# Altium PCB PASTE.PcbDoc (part 3 of 7) (continued)
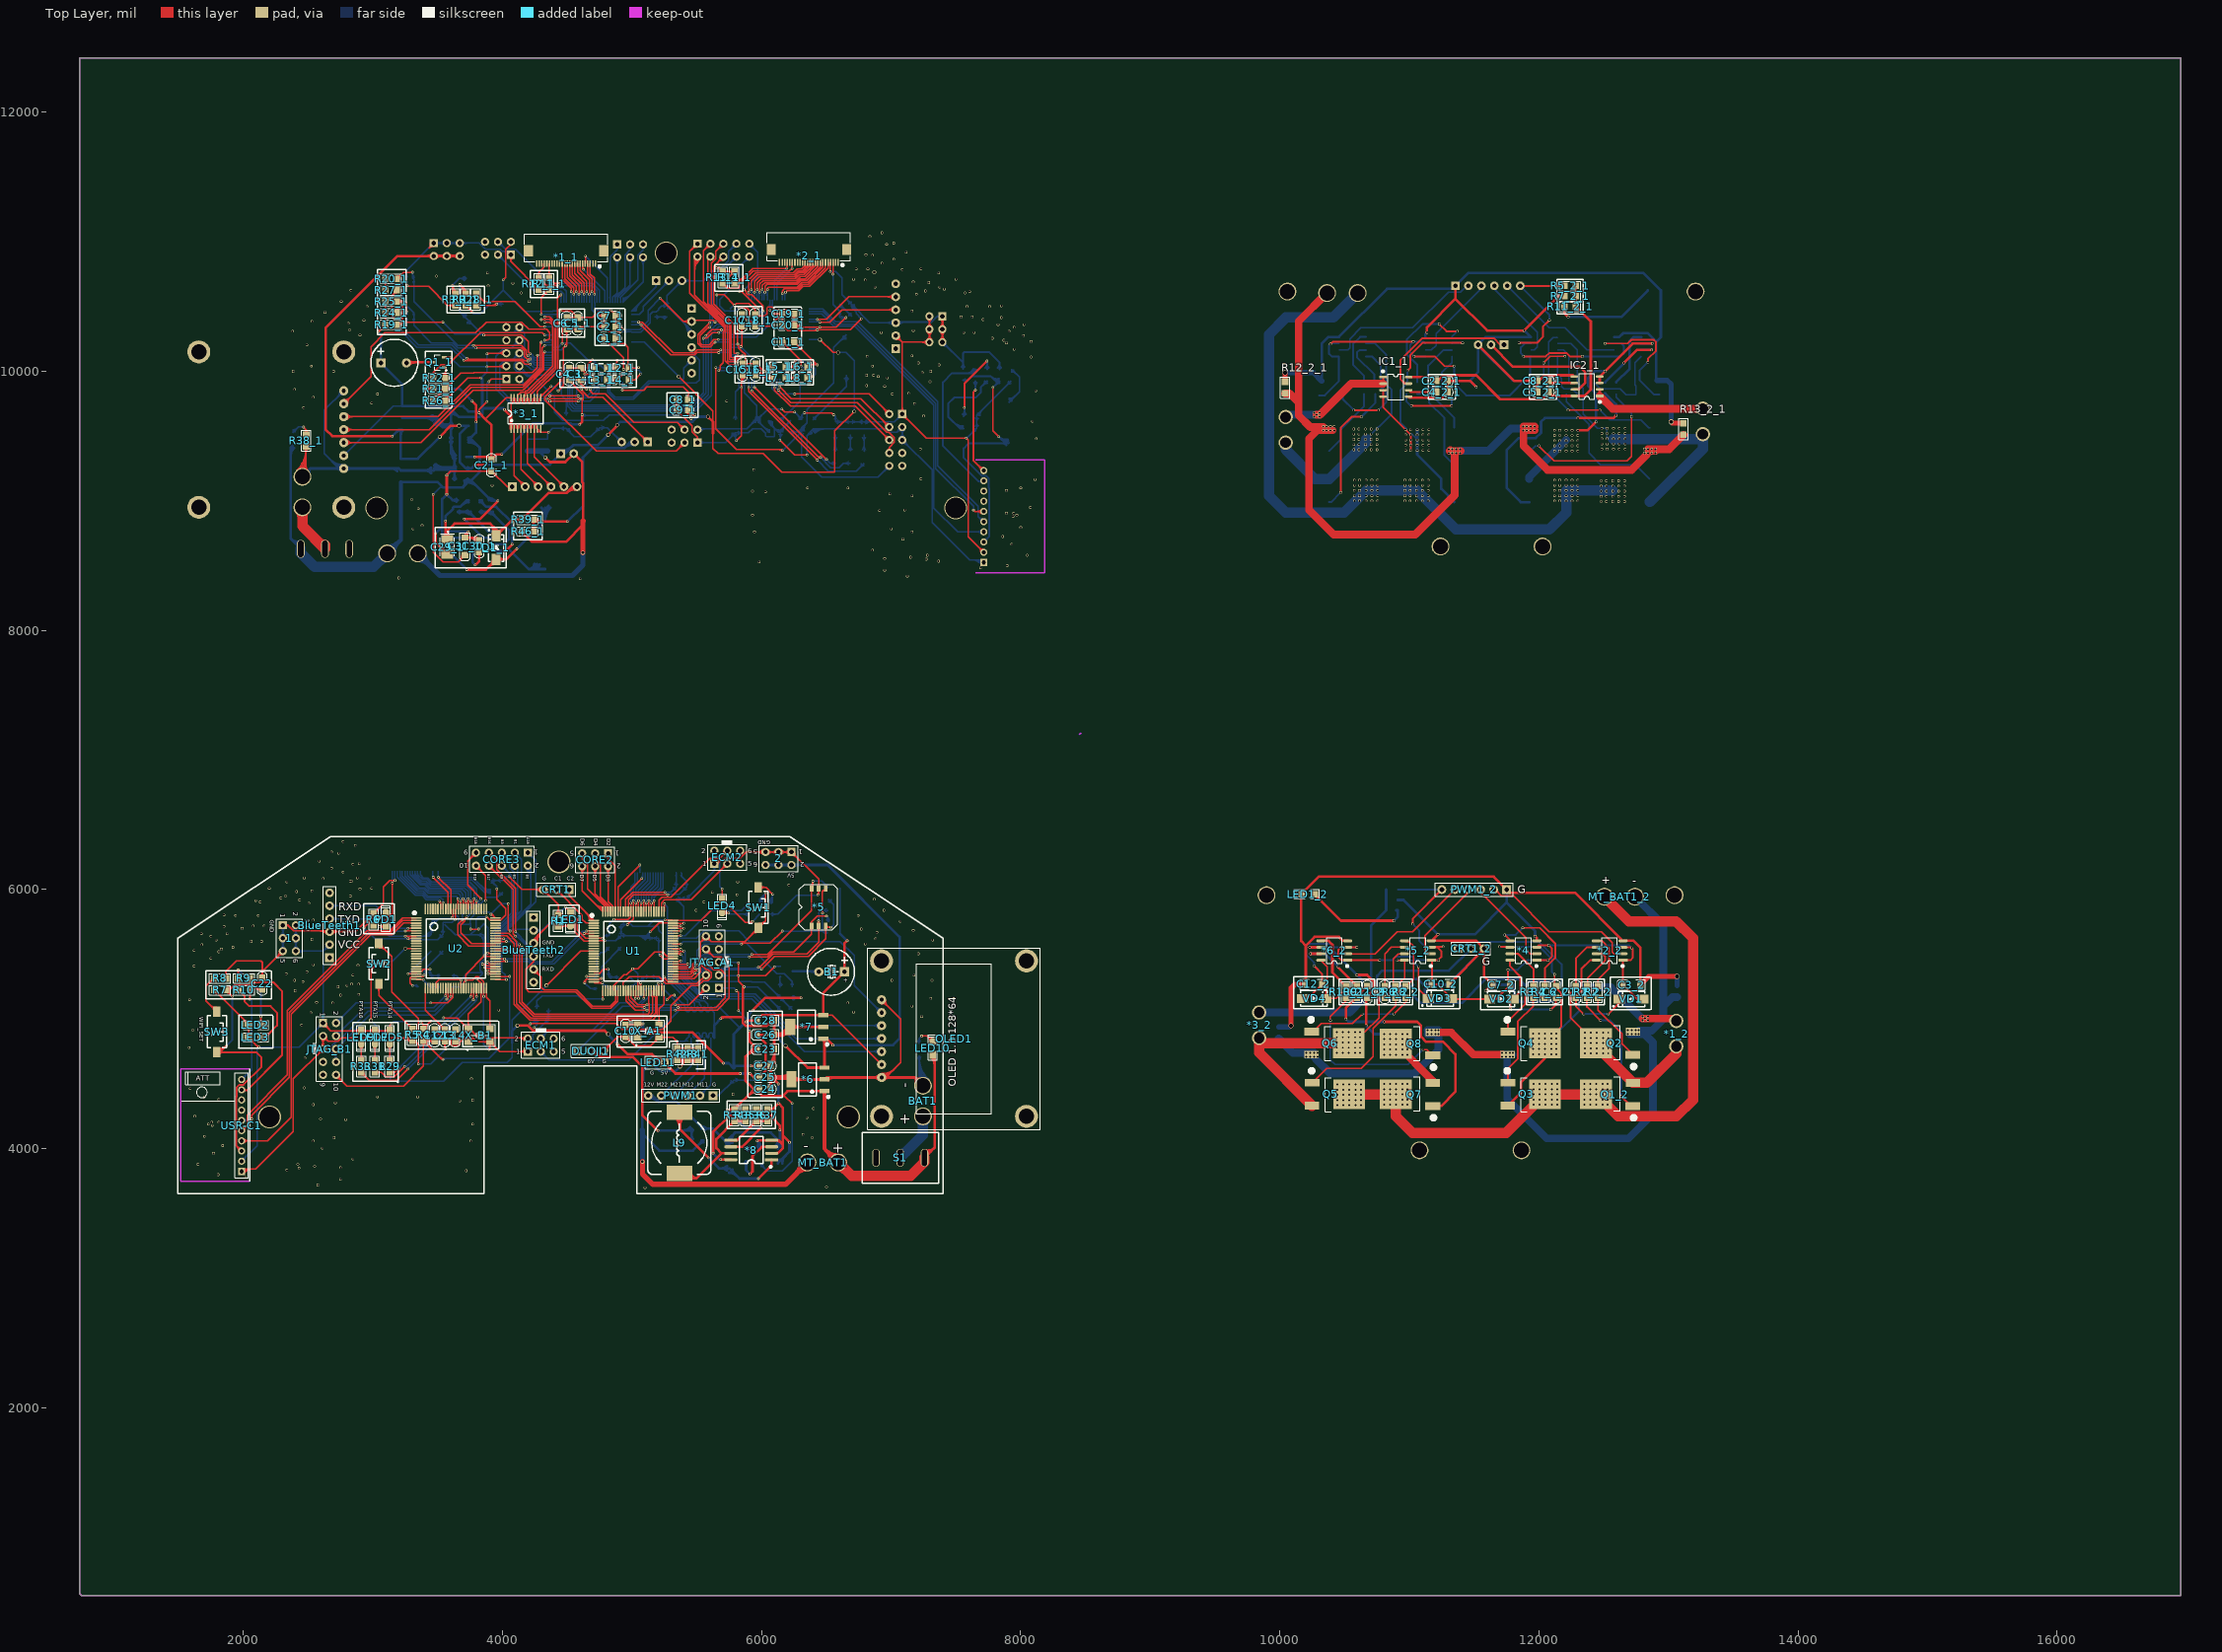
[diagram p0: Top Layer view]
## Nets (pads, with @x,y where several pads share a name; then routed paths per layer and width w, separated by ;. In a path a pad name is that pad's centre, name@x,y a point inside that pad or via, vN(x,y) a via of type N, cw(c..) or ccw(c..) an arc to the next point about the centre after c; other vN are vias at no path point) (continued)
; v2@5371.46,5716.46 ccw(c5362.93,5707.93) 5362.93,5720 ccw(c5362.93,5732.07) v2@5371.46,5723.54 ; v2(5375,5540) 5357.26,5540 ; v2(5375,5580) 5356.63,5580 ; 5378.42,5521.06 ccw(c5378.42,5546.58) v2@5396.46,5528.54 ; 5378.5,9450 cw(c5314.54,9450) 5359.77,9404.77 cw(c5405,9359.54) 5405,9423.5 ; 5378.5,9550 ccw(c5314.54,9550) 5359.77,9595.23 ccw(c5405,9640.46) 5405,9576.5 ; 5385.36,5701.06 cw(c5385.36,5685.36) v2@5396.46,5696.46 ; 5388.5,9450 cw(c5348.68,9450) 5376.84,9421.84 cw(c5405,9393.68) 5405,9433.5 ; 5388.5,9550 ccw(c5348.68,9550) 5376.84,9578.16 ccw(c5405,9606.32) 5405,9566.5 ; v2@5395,5700 v2(5400,5700) ; v2@5396.46,5736.46 ccw(c5387.93,5727.93) 5387.93,5740 ccw(c5387.93,5752.07) v2@5396.46,5743.54 ; 5420.86,9794.14 ccw(c5386.72,9828.28) 5435,9828.28 ccw(c5483.28,9828.28) 5449.14,9794.14 ; 5421.6,9685.15 cw(c5394.38,9655) 5435,9655 ; v2@5426.46,5421.46 ccw(c5417.93,5412.93) 5417.93,5425 ccw(c5417.93,5437.07) v2@5426.46,5428.54 ; 5435,9680 cw(c5435,9631.72) 5469.14,9665.86 cw(c5503.28,9700) 5455,9700 ; 5439.08,10365.7 ccw(c5395,10325.03) 5395,10385 ; 5439.08,10404.3 cw(c5395,10444.97) 5395,10385 ; 5448.4,9685.15 ccw(c5475.62,9655) 5435,9655 ; v2@5450,9635 ccw(c5437.93,9635) 5446.46,9643.54 ccw(c5455,9652.07) v2@5455,9640 ; 5450.86,9684.14 ccw(c5485,9718.28) v2@5485,9670 ; v2(5455,9635) 5435,9655 ; 5467.93,9667.07 ccw(c5485,9684.14) v2@5485,9660 ; 5478.29,5373.94 ccw(c5478.29,5406.71) v2@5501.46,5383.54 ; 5478.29,5413.94 ccw(c5478.29,5446.71) v2@5501.46,5423.54 ; 5478.5,10985 cw(c5414.54,10985) 5459.77,10939.77 cw(c5505,10894.54) 5505,10958.5 ; v2@5480,5355 cw(c5467.93,5355) 5476.46,5346.46 cw(c5485,5337.93) v2@5485,5350 ; v2@5481.46,9661.46 ccw(c5472.93,9652.93) 5472.93,9665 ccw(c5472.93,9677.07) v2@5481.46,9668.54 ; 5482.35,10766.36 cw(c5623.64,10766.36) 5523.74,10866.26 ; 5482.35,10790.5 cw(c5599.49,10790.5) 5516.66,10873.34 ; 5482.35,10814.65 cw(c5575.35,10814.65) 5509.59,10880.41 ; 5482.35,10838.79 cw(c5551.21,10838.79) 5502.52,10887.48 ; 5482.35,10862.93 cw(c5527.07,10862.93) 5495.45,10894.55 ; v2(5485,9665) 5470,9665 5435,9700 5435,9655 ; 5488.5,10985 cw(c5448.68,10985) 5476.84,10956.84 cw(c5505,10928.68) 5505,10968.5 ; 5493.18,9473.71 ccw(c5483.65,9492.82) 5505,9492.82 ; 5505,9450 5505,9492.82 ; 5505,10885 5482.35,10862.35 5482.35,10587.35 5722.87,10346.84 5722.87,10306.38 5720,10303.51 5720,10080 5750,10050 v2(5810,10050) ; 5505,10985 5445,10925 5445,10605 5708.94,10341.06 5708.94,10312.16 5705,10308.22 5705,10067.87 5681.06,10043.94 5681.06,10016.06 v2(5670,10005) ; 5516.82,9473.71 cw(c5526.35,9492.82) 5505,9492.82 ; 5533.3,5598.3 cw(c5570,5561.61) 5570,5613.5 ; 5543.5,5240 cw(c5479.54,5240) 5524.77,5194.77 cw(c5570,5149.54) 5570,5213.5 ; 5543.74,5636.48 cw(c5494.29,5629.85) 5529.57,5594.57 ; 5543.86,5608.86 ccw(c5519.5,5633.23) 5553.65,5637.81 ; v2(5550,10255) 5551.06,10256.06 5577.84,10256.06 5588.94,10267.16 5588.94,10268.94 5620,10300 v2(5670,10300) ; 5553.5,5240 cw(c5513.68,5240) 5541.84,5211.84 cw(c5570,5183.68) 5570,5223.5 ; v2@5553.54,10251.46 cw(c5564.64,10240.36) 5564.64,10256.06 ; 5570,5413.5 cw(c5570,5349.54) 5615.23,5394.77 cw(c5660.46,5440) 5596.5,5440 ; 5570,5423.5 cw(c5570,5383.68) 5598.16,5411.84 cw(c5626.32,5440) 5586.5,5440 ; 5570,5513.5 cw(c5570,5449.54) 5615.23,5494.77 cw(c5660.46,5540) 5596.5,5540 ; 5570,5523.5 cw(c5570,5483.68) 5598.16,5511.84 cw(c5626.32,5540) 5586.5,5540 ; v2(5570,10275) 5615,10320 v2(5690,10320) ; v2@5570,10280 ccw(c5570,10292.07) 5578.54,10283.54 ccw(c5587.07,10275) v2@5575,10275 ; 5571.36,5623.56 cw(c5573.84,5593.5) 5595.17,5614.83 cw(c5616.5,5636.16) 5586.44,5638.64 ; 5572.18,5613.59 cw(c5576.17,5565.31) 5610.43,5599.57 ; 5572.58,10323.64 cw(c5600,10296.22) v2@5600,10335 ; 5578.5,10985 cw(c5514.54,10985) 5559.77,10939.77 cw(c5605,10894.54) 5605,10958.5 ; 5588.5,10985 cw(c5548.68,10985) 5576.84,10956.84 cw(c5605,10928.68) 5605,10968.5 ; 5589.65,10340.71 cw(c5600,10330.36) v2@5600,10345 ; v2@5595,10375 cw(c5582.93,10375) 5591.46,10366.46 cw(c5600,10357.93) v2@5600,10370 ; v2@5596.25,10336.7 ccw(c5588.94,10330.26) 5588.94,10340 ; v2@5596.25,10343.3 cw(c5588.94,10349.74) 5588.94,10340 ; 5596.41,5637.82 ccw(c5644.69,5633.83) 5610.43,5599.57 ; v2(5600,10340) 5588.94,10340 ; v2(5600,10375) 5510,10285 5510,10215 5535,10190 5605,10190 v2(5640,10225) ; 5605,10885 5585,10865 5585,10524.13 5750.75,10358.38 5750.75,10090 5751.81,10088.94 5802.16,10088.94 5813.22,10100 v2(5840,10100) ; 5605,10985 5552.21,10932.21 5552.21,10537.21 5736.81,10352.61 5736.81,10082.9 5744.71,10075 v2(5815,10075) ; 5625,9520 5625,9405 5665,9365 6010,9365 6155,9220 6565,9220 6565,9540 v3(6715,9690) ; 5631.62,6200.92 cw(c5665.07,6191.83) 5665.07,6226.5 ; 5635,6200 5661.5,6226.5 5704.32,6226.5 ; v2@5635,10225 cw(c5622.93,10225) 5631.46,10216.46 cw(c5640,10207.93) v2@5640,10220 ; v2(5640,10380) 5626.06,10393.94 5468.94,10393.94 5460,10385 5395,10385 ; 5641.27,6198.3 cw(c5678.15,6188.27) 5678.15,6226.5 ; v2@5641.46,10026.46 cw(c5632.93,10017.93) 5645,10017.93 cw(c5657.07,10017.93) v2@5648.54,10026.46 ; v2(5645,10030) 5645,9555 5805,9395 6155,9395 v2(6160,9390) ; v2(5650,10800) 5670,10800 ; 5650.36,10243.94 ccw(c5650.36,10259.64) v2@5661.46,10248.54 ; 5650.92,6195.67 cw(c5691.23,6184.72) 5691.23,6226.5 ; v2@5653.54,10796.46 cw(c5662.07,10787.93) 5662.07,10800 cw(c5662.07,10812.07) v2@5653.54,10803.54 ; v2(5655,10590) 5710,10590 v2(5790,10510) 5805,10525 5900,10525 5950,10475 5950,10440 ; 5660.57,6193.05 cw(c5704.31,6181.17) 5704.31,6226.5 ; v2(5665,10245) 5663.94,10243.94 5632.16,10243.94 5621.06,10232.84 5621.06,10231.06 5595,10205 5539.71,10205 5523.94,10220.77 5523.94,10275 5588.94,10340 ; v2@5666.46,10141.46 ccw(c5657.93,10132.93) 5657.93,10145 ccw(c5657.93,10157.07) v2@5666.46,10148.54 ; v2@5666.46,10296.46 ccw(c5657.93,10287.93) 5657.93,10300 ccw(c5657.93,10312.07) v2@5666.46,10303.54 ; v2@5670,10010 ccw(c5670,10022.07) 5678.54,10013.54 ccw(c5687.07,10005) v2@5675,10005 ; 5678.5,10885 cw(c5614.54,10885) 5659.77,10839.77 cw(c5705,10794.54) 5705,10858.5 ; 5678.5,10985 cw(c5614.54,10985) 5659.77,10939.77 cw(c5705,10894.54) 5705,10958.5 ; 5680.09,10771.91 ccw(c5645.26,10775.25) 5670,10800 ; v2@5681.46,10161.46 ccw(c5672.93,10152.93) 5672.93,10165 ccw(c5672.93,10177.07) v2@5681.46,10168.54 ; v2@5686.46,10316.46 ccw(c5677.93,10307.93) 5677.93,10320 ccw(c5677.93,10332.07) v2@5686.46,10323.54 ; 5688.5,10885 cw(c5648.68,10885) 5676.84,10856.84 cw(c5705,10828.68) 5705,10868.5 ; 5688.5,10985 cw(c5648.68,10985) 5676.84,10956.84 cw(c5705,10928.68) 5705,10968.5 ; 5695,5825 5700,5820 v2(5745,5820) ; v2(5695,6005) 5695,5925 ; 5698.09,10789.91 cw(c5694.75,10824.74) 5670,10800 ; 5700,10660 cw(c5700,10611.72) 5734.14,10645.86 cw(c5768.28,10680) 5720,10680 ; 5700,10680 5740,10640 5830,10640 5830,10670 5933.94,10773.94 6213.94,10773.94 v2(6235,10795) 6237.05,10797.05 6237.05,10841.69 ; 5705,10885 5630,10810 5630,10518.55 5785,10363.55 5785,10140 v2(5815,10140) ; 5705,10985 5645.43,10925.43 5645.43,10868.25 5611.92,10834.74 5611.92,10516.92 5764.69,10364.15 5764.69,10110.32 5770,10105 5798.51,10105 5813.51,10120 5850,10120 v2(5855,10125) ; 5708.5,6200 cw(c5644.54,6200) 5689.77,6154.77 cw(c5735,6109.54) 5735,6173.5 ; 5708.5,6300 cw(c5644.54,6300) 5689.77,6254.77 cw(c5735,6209.54) 5735,6273.5 ; 5709.14,5805.86 cw(c5743.28,5771.72) 5743.28,5820 cw(c5743.28,5868.28) 5709.14,5834.14 ; 5714.14,10755.86 cw(c5748.28,10721.72) 5748.28,10770 cw(c5748.28,10818.28) 5714.14,10784.14 ; 5718.5,6200 cw(c5678.68,6200) 5706.84,6171.84 cw(c5735,6143.68) 5735,6183.5 ; 5718.5,6300 cw(c5678.68,6300) 5706.84,6271.84 cw(c5735,6243.68) 5735,6283.5 ; 5732.19,5817.03 cw(c5735.71,5803.9) v2@5742.5,5815.67 ; 5732.19,5822.97 ccw(c5735.71,5836.1) v2@5742.5,5824.33 ; 5734.26,5817.58 ccw(c5731.53,5827.78) v2@5740.67,5822.5 ; 5734.26,5822.42 cw(c5731.53,5812.22) v2@5740.67,5817.5 ; v2@5741.46,5816.46 ccw(c5732.93,5807.93) 5732.93,5820 ccw(c5732.93,5832.07) v2@5741.46,5823.54 ; v2@5741.46,10708.54 ccw(c5732.93,10717.07) 5745,10717.07 ccw(c5757.07,10717.07) v2@5748.54,10708.54 ; v2(5745,10705) 5745,10725 5790,10770 5700,10770 5670,10800 ; 5770,10770 cw(c5721.72,10770) 5755.86,10735.86 cw(c5790,10701.72) 5790,10750 ; 5775.86,10755.86 ccw(c5741.72,10721.72) 5741.72,10770 ccw(c5741.72,10818.28) 5775.86,10784.14 ; v2@5785,10510 ccw(c5772.93,10510) 5781.46,10518.54 ccw(c5790,10527.07) 5790,10515 ccw(c5790,10527.07) 5798.54,10518.54 ccw(c5807.07,10510) v2@5795,10510 ; 5790,10670 ccw(c5790,10706.21) 5815.61,10680.61 ; 5790,10690 ccw(c5790,10774.5) 5849.75,10714.75 ; 5790,10700 ccw(c5790,10808.64) 5866.82,10731.82 ; v2(5805,5220) 5820,5205 v2(5820,5065) ; v2(5805,9465) 5845,9505 v2(5845,9875) 5845,9960 5855,9970 ccw(c5879.14,9945.86) 5845,9945.86 ccw(c5830.86,9945.86) 5840.86,9955.86 ; v2@5805,9470 ccw(c5805,9482.07) 5813.54,9473.54 ccw(c5822.07,9465) v2@5810,9465 ; v2@5806.46,10046.46 ccw(c5797.93,10037.93) 5797.93,10050 ccw(c5797.93,10062.07) v2@5806.46,10053.54 ; v2@5811.46,10071.46 ccw(c5802.93,10062.93) 5802.93,10075 ccw(c5802.93,10087.07) v2@5811.46,10078.54 ; v2@5811.46,10136.46 ccw(c5802.93,10127.93) 5802.93,10140 ccw(c5802.93,10152.07) v2@5811.46,10143.54 ; v2@5811.46,10206.46 cw(c5788.29,10183.29) 5821.06,10183.29 ; 5814.06,10224.33 ccw(c5829.33,10224.33) v2@5818.54,10213.54 ; v2@5816.46,5331.46 cw(c5807.93,5322.93) 5820,5322.93 cw(c5832.07,5322.93) 5823.54,5331.46 cw(c5832.07,5322.93) 5832.07,5335 cw(c5832.07,5347.07) 5823.54,5338.54 cw(c5832.07,5347.07) 5820,5347.07 cw(c5807.93,5347.07) v2@5816.46,5338.54 ; v2@5816.46,5431.46 cw(c5807.93,5422.93) 5820,5422.93 cw(c5832.07,5422.93) v2@5823.54,5431.46 ; v2(5820,5435) v2(5820,5335) ; v2(5825,10490) 5885,10490 5905,10470 5905,10395 5950,10350 ; v2@5828.54,10486.46 cw(c5837.07,10477.93) 5837.07,10490 cw(c5837.07,10502.07) v2@5828.54,10493.54 ; v2(5830,10615) 5848.51,10615 5973.51,10490 v2(5975,10490) ; 5830.86,10120 ccw(c5830.86,10149.14) v2@5851.46,10128.54 ; 5832.68,10697.68 cw(c5790,10740.36) 5790,10680 5815,10680 5930,10795 v2(6195,10795) 6197.68,10797.68 6197.68,10841.69 ; v2@5833.54,10611.46 cw(c5842.07,10602.93) 5842.07,10615 cw(c5842.07,10627.07) v2@5833.54,10618.54 ; 5833.86,10335.86 cw(c5799.72,10301.72) 5848,10301.72 cw(c5896.28,10301.72) 5862.14,10335.86 cw(c5896.28,10301.72) 5896.28,10350 cw(c5896.28,10398.28) 5862.14,10364.14 ; v2@5836.46,10096.46 ccw(c5827.93,10087.93) 5827.93,10100 ccw(c5827.93,10112.07) v2@5836.46,10103.54 ; v2@5836.46,10193.54 ccw(c5808.62,10221.38) 5848,10221.38 ; v2(5840,10190) 5848,10198 5848,10350 5950,10350 ; v2@5841.46,9871.46 cw(c5832.93,9862.93) 5845,9862.93 cw(c5857.07,9862.93) v2@5848.54,9871.46 ; v2@5841.46,9878.54 ccw(c5832.93,9887.07) 5845,9887.07 ccw(c5857.07,9887.07) v2@5848.54,9878.54 ; v2@5843.54,10186.46 ccw(c5832.76,10197.24) 5848,10197.24 ; v2(5845,5580) 5850.63,5585.63 6065.63,5585.63 v2(6160,5680) ; 5845,9897.57 cw(c5927.43,9897.57) 5869.14,9955.86 ; 5845,9921.72 cw(c5903.28,9921.72) 5862.07,9962.93 ; v2@5848.54,5576.46 cw(c5870.66,5554.34) 5870.66,5585.63 ; v2@5860,5250 ccw(c5847.93,5250) 5856.46,5258.54 ccw(c5865,5267.07) v2@5865,5255 ; v2(5865,5250) 5820,5295 v2(5820,5335) ; v2@5865,10625 cw(c5865,10612.93) 5873.54,10621.46 cw(c5882.07,10630) v2@5870,10630 ; v2(5865,10630) 5881.06,10613.94 5881.06,10602.16 5892.16,10591.06 5923.94,10591.06 6010,10505 v2(6010,10465) ; v2(5885,10395) 5848,10432 5848,10440 5814.06,10406.06 5814.06,10210.94 v2(5815,10210) 5821.06,10203.94 5821.06,10182.16 5859.28,10143.94 5862.84,10143.94 5873.94,10132.84 5873.94,10078.94 5855,10060 ; 5893.79,5745 ccw(c5893.79,5791.21) v2@5926.46,5758.54 ; v2(5895,10010) 5855,10050 5855,10060 ; v2@5896.46,9871.46 cw(c5887.93,9862.93) 5900,9862.93 cw(c5912.07,9862.93) v2@5903.54,9871.46 ; v2@5896.46,10613.54 ccw(c5887.93,10622.07) 5900,10622.07 ccw(c5912.07,10622.07) v2@5903.54,10613.54 ; v2(5900,9875) 5900,9845 v2(6430,9315) ; v2(5900,10610) 5900,10705 5955,10760 6245,10760 6275,10790 6310,10790 6335.47,10815.47 6335.47,10841.69 ; v2(5905,5480) 6044.71,5480 6083.65,5518.94 6248.94,5518.94 6385,5655 6385,5720 6385,5750 ; v2@5908.54,5476.46 cw(c5917.07,5467.93) 5917.07,5480 cw(c5917.07,5492.07) v2@5908.54,5483.54 ; 5916.33,5646.33 cw(c5975,5587.65) 5975,5670.63 ; v2@5916.46,10633.54 ccw(c5907.93,10642.07) 5920,10642.07 ccw(c5932.07,10642.07) v2@5923.54,10633.54 ; 5917.93,5745 ccw(c5917.93,5767.07) v2@5933.54,5751.46 ; v2(5920,10630) 5920,10700 5965,10745 6250,10745 6281.06,10776.06 6315.77,10776.06 6355.16,10815.45 6355.16,10841.69 ; v2(5925,5500) 6045,5500 6385,5840 6385,6010 6395,6020 v2(6395,6065) cw(c6341.03,6065) 6378.26,6025.93 ; v2@5925,5755 cw(c5912.93,5755) 5921.46,5746.46 cw(c5930,5737.93) v2@5930,5750 ; v2@5925,9845 cw(c5925,9832.93) 5933.54,9841.46 cw(c5942.07,9850) v2@5930,9850 ; v2(5925,9850) 6440,9335 v2(6455,9335) ; v2@5928.54,5496.46 cw(c5937.07,5487.93) 5937.07,5500 cw(c5937.07,5512.07) v2@5928.54,5503.54 ; v2(5930,5755) 5920,5745 5875,5745 5695,5925 ; 5933.4,5663.4 cw(c5975,5621.8) 5975,5680.63 ; 5940.09,5670.09 ccw(c5915.02,5695.16) 5950.47,5695.16 ; v2@5941.46,10613.54 ccw(c5932.93,10622.07) 5945,10622.07 ccw(c5957.07,10622.07) v2@5948.54,10613.54 ; v2@5945,9870 cw(c5945,9857.93) 5953.54,9866.46 cw(c5962.07,9875) v2@5950,9875 ; v2@5945,9880 v2(5945,9875) v2(6500,9320) ; v2(5945,10395) 5945,10435 5950,10440 ; v2(5945,10610) 5945,10695 5980,10730 6255,10730 6287.13,10762.13 6321.55,10762.13 6324.42,10765 6325,10765 6374.84,10814.84 6374.84,10841.69 ; v2@5961.46,10633.54 ccw(c5952.93,10642.07) 5965,10642.07 ccw(c5977.07,10642.07) v2@5968.54,10633.54 ; 5963.92,10499.59 ccw(c5975,10510.67) v2@5975,10495 ; v2(5965,10630) 5965,10685 5995,10715 6260,10715 6293.19,10748.19 6327.9,10748.19 6394.53,10814.82 6394.53,10841.69 ; 5974.21,6017.31 6032.69,6017.31 ; v2(5975,5400) 5984.42,5400 6089.42,5505 6350,5505 6440,5595 6440,5720 v2(6440,5760) ; v2@5975,5405 ccw(c5975,5439.81) 5999.62,5415.2 ; 5975.75,5729.35 ccw(c5978.34,5779.85) 6014.09,5744.09 ; 5976.26,5739.34 ccw(c5979.9,5810.1) 6030,5760 ; v2@5981.46,10613.54 ccw(c5972.93,10622.07) 5985,10622.07 ccw(c5997.07,10622.07) v2@5988.54,10613.54 ; 5984.58,6007.13 cw(c6008.85,5983.3) 6008.85,6017.31 cw(c6008.85,6051.33) 5984.58,6027.49 ; v2@5985,9995 cw(c5985,9982.93) 5993.54,9991.46 cw(c6002.07,10000) v2@5990,10000 ; v2(5985,10000) 6035,9950 6090,9950 ; v2(5985,10610) 5985,10675 6010,10700 6264.71,10700 6298.96,10734.25 6334.25,10734.25 6415.12,10815.12 6415.12,10840.79 6414.21,10841.69 ; 5991.71,6000.13 cw(c6032.68,5959.89) 6032.68,6017.31 ; 5991.71,6034.5 ccw(c6032.68,6074.74) 6032.68,6017.31 ; 5999.53,5714.84 cw(c6034.98,5714.84) 6009.91,5739.91 ; v2(6000,5385) 6100,5485 6360,5485 6495,5620 6495,5720 6505,5710 v2(6535,5710) ; v2@6000,5390 ccw(c6000,5402.07) 6008.54,5393.54 ccw(c6017.07,5385) v2@6005,5385 ; v2@6001.46,10633.54 ccw(c5992.93,10642.07) 6005,10642.07 ccw(c6017.07,10642.07) v2@6008.54,10633.54 ; v2(6005,10630) 6005,10665 6025,10685 6269.42,10685 6299.42,10715 6340,10715 6433.9,10808.9 6433.9,10841.69 ; v2@6006.46,10468.54 ccw(c5997.93,10477.07) 6010,10477.07 ccw(c6022.07,10477.07) v2@6013.54,10468.54 ; 6011.26,6271.26 ccw(c5966.03,6226.03) 5966.03,6290 ccw(c5966.03,6353.97) 6011.26,6308.74 ; v2@6015,10000 ccw(c6002.93,10000) 6011.46,10008.54 ccw(c6020,10017.07) 6020,10005 ccw(c6020,10017.07) 6028.54,10008.54 ccw(c6037.07,10000) v2@6025,10000 ; 6018.34,6278.34 ccw(c5990.18,6250.18) 5990.18,6290 ccw(c5990.18,6329.82) 6018.34,6301.66 ; v2@6021.46,10613.54 ccw(c6012.93,10622.07) 6025,10622.07 ccw(c6037.07,10622.07) v2@6028.54,10613.54 ; v2(6025,10610) 6025,10655 6040,10670 6274.13,10670 6305.19,10701.06 6351.06,10701.06 6453.58,10803.58 6453.58,10841.69 ; v2@6026.46,5966.46 cw(c6017.93,5957.93) 6030,5957.93 cw(c6042.07,5957.93) v2@6033.54,5966.46 ; v2(6030,5970) 6030,5760 ; 6041.66,6278.34 cw(c6069.82,6250.18) 6069.82,6290 cw(c6069.82,6329.82) 6041.66,6301.66 ; v2(6045,10630) 6045,10640 6055,10650 ; 6048.74,6271.26 cw(c6093.97,6226.03) 6093.97,6290 cw(c6093.97,6353.97) 6048.74,6308.74 ; v2@6049.85,10631.23 cw(c6068.91,10636.09) 6055,10650 ; v2@6065,10465 cw(c6065,10452.93) 6073.54,10461.46 cw(c6082.07,10470) v2@6070,10470 ; v2(6065,10470) 6090,10445 6160,10445 6160,10355 6200,10315 6425,10315 v2(6430,10320) 6685,10320 v2(6770,10405) ; 6079.14,10024.66 ccw(c6055,10001.67) 6055,10035 ; 6079.14,10045.34 cw(c6055,10068.33) 6055,10035 ; 6079.39,9939.39 ccw(c6053.79,9913.79) 6053.79,9950 ccw(c6053.79,9986.21) 6079.39,9960.61 ; v2@6080,5965 ccw(c6067.93,5965) 6076.46,5973.54 ccw(c6085,5982.07) v2@6085,5970 ; v2(6085,5965) 6032.69,6017.31 ; 6090,10035 6055,10035 ; v2@6095,5405 cw(c6082.93,5405) 6091.46,5396.46 cw(c6100,5387.93) v2@6100,5400 ; v2@6096.46,9871.46 cw(c6087.93,9862.93) 6100,9862.93 cw(c6112.07,9862.93) v2@6103.54,9871.46 ; v2(6100,5405) 6030,5335 v2(5820,5335) ; v2(6100,9875) 6100,9855 6225,9730 6725,9730 6985,9470 ; 6111.26,6271.26 ccw(c6066.03,6226.03) 6066.03,6290 ccw(c6066.03,6353.97) 6111.26,6308.74 ; 6118.34,6278.34 ccw(c6090.18,6250.18) 6090.18,6290 ccw(c6090.18,6329.82) 6118.34,6301.66 ; v2@6130,9850 cw(c6130,9837.93) 6138.54,9846.46 cw(c6147.07,9855) v2@6135,9855 ; v2(6130,9855) 6225,9760 6737.82,9760 6968.25,9529.57 6982.61,9529.57 7025.43,9486.75 7025.43,9453.25 6985,9412.82 ; 6135.86,9395 cw(c6135.86,9365.86) v2@6156.46,9386.46 ; v2@6140,9465 cw(c6140,9452.93) 6148.54,9461.46 cw(c6157.07,9470) v2@6145,9470 ; v2(6140,9470) 6255,9355 v2(6350,9355) ; v2@6140,9875 cw(c6140,9862.93) 6148.54,9871.46 cw(c6157.07,9880) v2@6145,9880 ; v2(6140,9880) 6230,9790 6765,9790 6985,9570 ; 6141.66,6278.34 cw(c6169.82,6250.18) 6169.82,6290 cw(c6169.82,6329.82) 6141.66,6301.66 ; 6145.86,10369.14 ccw(c6111.72,10403.28) 6160,10403.28 ccw(c6208.28,10403.28) 6174.14,10369.14 ; 6145.86,10430.86 6065,10350 5950,10350 ; 6148.74,6271.26 cw(c6193.97,6226.03) 6193.97,6290 cw(c6193.97,6353.97) 6148.74,6308.74 ; v2@6155,5680 cw(c6142.93,5680) 6151.46,5671.46 cw(c6160,5662.93) v2@6160,5675 ; v2@6155,9705 cw(c6155,9692.93) 6163.54,9701.46 cw(c6172.07,9710) v2@6160,9710 ; v2(6155,9710) 6180,9685 v2(6255,9685) ; v2@6156.46,10603.54 ccw(c6147.93,10612.07) 6160,10612.07 ccw(c6172.07,10612.07) v2@6163.54,10603.54 ; 6160,4405 6180,4405 v2(6235,4350) ; 6160,10205 cw(c6160,10156.72) 6194.14,10190.86 cw(c6228.28,10225) 6180,10225 ; 6160,10225 6305,10080 v2(6305,10040) ; 6160,10335 cw(c6160,10286.72) 6194.14,10320.86 cw(c6228.28,10355) 6180,10355 ; v2(6160,10600) 6160,10620 6176.06,10636.06 6280.77,10636.06 6284.71,10640 6285,10640 6315,10670 6362.93,10670 6491.06,10798.13 6491.06,10839.8 6492.95,10841.69 ; 6180,9950 6260,9950 6310,10000 v2(6310,10005) ; 6180,10035 6260,10035 v2(6260,10085) ; v2(6185,10610) 6197.13,10622.13 6286.84,10622.13 6319.71,10655 6370,10655 6512.64,10797.64 6512.64,10841.69 ; v2@6185,10615 ccw(c6185,10627.07) 6193.54,10618.54 ccw(c6202.07,10610) v2@6190,10610 ; 6190.61,9939.39 cw(c6216.21,9913.79) 6216.21,9950 cw(c6216.21,9986.21) 6190.61,9960.61 ; 6190.61,10024.39 cw(c6216.21,9998.79) 6216.21,10035 cw(c6216.21,10071.21) 6190.61,10045.61 ; v2@6191.46,10791.46 ccw(c6182.93,10782.93) 6182.93,10795 ccw(c6182.93,10807.07) 6191.46,10798.54 ccw(c6176.47,10813.53) 6197.68,10813.53 ; 6200.81,10466.83 ccw(c6234.5,10500.53) 6247.31,10454.63 ; 6211.26,6271.26 ccw(c6166.03,6226.03) 6166.03,6290 ccw(c6166.03,6353.97) 6211.26,6308.74 ; 6212.91,10454.73 ccw(c6239.78,10481.61) 6250,10445 ; 6218.34,6278.34 ccw(c6190.18,6250.18) 6190.18,6290 ccw(c6190.18,6329.82) 6218.34,6301.66 ; 6225.01,10442.63 ccw(c6245.06,10462.69) 6252.69,10435.37 ; v2@6230,4350 ccw(c6217.93,4350) 6226.46,4358.54 ccw(c6235,4367.07) v2@6235,4355 ; 6230,6263.5 cw(c6230,6199.54) 6275.23,6244.77 cw(c6320.46,6290) 6256.5,6290 ; 6230,6273.5 cw(c6230,6233.68) 6258.16,6261.84 cw(c6286.32,6290) 6246.5,6290 ; v2@6230,10795 cw(c6217.93,10795) 6226.46,10786.46 cw(c6235,10777.93) v2@6235,10790 ; 6230.94,10438.93 ccw(c6222.64,10436.29) 6222.64,10445 ; 6230.94,10451.07 cw(c6222.64,10453.71) 6222.64,10445 ; v2@6231.46,10798.54 ccw(c6217.99,10812.01) 6237.05,10812.01 ; 6235.86,10369.14 ccw(c6201.72,10403.28) 6250,10403.28 ccw(c6298.28,10403.28) 6264.14,10369.14 ccw(c6334.5,10439.5) 6334.5,10340 ; 6235.86,10430.86 cw(c6201.72,10396.72) 6250,10396.72 cw(c6298.28,10396.72) 6264.14,10430.86 ; 6244.62,10464.26 cw(c6229.22,10519.45) 6188.7,10478.94 ; 6249.39,9939.39 ccw(c6223.79,9913.79) 6223.79,9950 ccw(c6223.79,9986.21) 6249.39,9960.61 ; 6249.39,10024.39 ccw(c6223.79,9998.79) 6223.79,10035 ccw(c6223.79,10071.21) 6249.39,10045.61 ; 6249.39,10053.11 ccw(c6223.79,10078.71) 6260,10078.71 ccw(c6296.21,10078.71) 6270.61,10053.11 ; 6250,10225 v2@6425,10050 ; v2@6251.46,9681.46 ccw(c6242.93,9672.93) 6242.93,9685 ccw(c6242.93,9697.07) v2@6251.46,9688.54 ; v2(6255,9825) 6830,9825 6985,9670 ; v2@6255.67,10082.5 cw(c6240.4,10073.69) 6257.43,10069.12 ; v2@6256.46,10081.46 cw(c6247.93,10072.93) 6260,10072.93 cw(c6272.07,10072.93) v2@6263.54,10081.46 ; 6257.07,10362.07 ccw(c6310.36,10415.36) 6310.36,10340 ; v2@6258.54,9821.46 cw(c6267.07,9812.93) 6267.07,9825 cw(c6267.07,9837.07) v2@6258.54,9828.54 ; 6260,9962.5 ccw(c6260,9992.68) 6281.34,9971.34 ; 6260,9972.5 ccw(c6260,10026.82) 6298.41,9988.41 ; 6262.57,10069.12 cw(c6279.6,10073.69) v2@6264.33,10082.5 ; 6275,9957.5 cw(c6293.11,9957.5) 6280.3,9970.3 ; 6286.21,10340 cw(c6286.21,10391.21) 6250,10355 ; 6297.93,9987.93 ccw(c6280.86,10005) v2@6305,10005 ; v2@6301.46,10043.54 ccw(c6292.93,10052.07) 6305,10052.07 ccw(c6317.07,10052.07) v2@6308.54,10043.54 ; 6329.31,10809.31 ccw(c6316.6,10822.01) 6334.57,10822.01 ; v2(6330,9680) 6540,9680 v2(6555,9665) ; v2@6333.54,9676.46 cw(c6342.07,9667.93) 6342.07,9680 cw(c6342.07,9692.07) v2@6333.54,9683.54 ; v2@6346.46,9351.46 ccw(c6337.93,9342.93) 6337.93,9355 ccw(c6337.93,9367.07) v2@6346.46,9358.54 ; 6348.97,10809.26 ccw(c6336.23,10822.01) 6354.25,10822.01 ; 6350,9950 6360,9960 v2(6395,9960) ; 6350,10035 6365,10050 v2@6425,10050 ; 6360.61,9946.89 cw(c6392.25,9915.25) v2@6392.25,9960 ; 6360.61,9968.11 ccw(c6380.18,9987.68) 6380.18,9960 ; 6368.23,10808.23 ccw(c6354.45,10822.01) 6373.94,10822.01 ; 6378.1,5704.24 cw(c6361.43,5687.57) 6385,5687.57 cw(c6408.57,5687.57) 6391.9,5704.24 ; 6378.1,5994.24 cw(c6361.43,5977.57) 6385,5977.57 cw(c6408.57,5977.57) 6391.9,5994.24 ; 6378.67,5736.29 ccw(c6366.99,5750) 6385,5750 ; 6381.5,9957.12 cw(c6385.25,9943.11) v2@6392.5,9955.67 ; 6384.82,9958.01 ccw(c6382.32,9967.32) v2@6390.67,9962.5 ; 6385.16,6018.69 ccw(c6363.28,6041.65) 6395,6041.65 ; 6387.9,10808.19 ccw(c6374.08,10822.01) 6393.62,10822.01 ; v2@6390.67,6062.5 cw(c6380.21,6056.46) 6391.88,6053.34 cw(c6403.53,6050.22) v2@6397.5,6060.67 ; 6391.33,5736.29 cw(c6403.01,5750) 6385,5750 ; v2@6391.46,6061.46 cw(c6382.93,6052.93) 6395,6052.93 cw(c6407.07,6052.93) v2@6398.54,6061.46 ; v2@6391.46,9956.46 ccw(c6382.93,9947.93) 6382.93,9960 ccw(c6382.93,9972.07) v2@6391.46,9963.54 ; 6405.86,10315 ccw(c6405.86,10344.14) v2@6426.46,10323.54 ; 6407.15,10807.16 ccw(c6392.3,10822.01) 6413.31,10822.01 ; 6412.93,10062.07 ccw(c6430,10079.14) v2@6430,10055 ; 6420.86,9354.14 ccw(c6455,9388.28) v2@6455,9340 ; v2@6425,9315 ccw(c6412.93,9315) 6421.46,9323.54 ccw(c6430,9332.07) v2@6430,9320 ; v2(6430,10050) v2@6425,10050 ; v2(6430,10400) 6500,10400 6675,10575 7035,10575 ; v2@6431.46,5963.54 ccw(c6410.86,5984.14) 6440,5984.14 ; 6433.1,5704.24 cw(c6416.43,5687.57) 6440,5687.57 cw(c6463.57,5687.57) 6446.9,5704.24 ; 6433.1,5735.76 ccw(c6416.43,5752.43) 6440,5752.43 ccw(c6463.57,5752.43) 6446.9,5735.76 ; 6433.1,5994.24 cw(c6416.43,5977.57) 6440,5977.57 cw(c6463.57,5977.57) 6446.9,5994.24 ; 6433.1,6025.76 ccw(c6416.43,6042.43) 6440,6042.43 ccw(c6463.57,6042.43) 6446.9,6025.76 ; v2@6433.54,10316.46 cw(c6442.07,10307.93) 6442.07,10320 cw(c6442.07,10332.07) v2@6433.54,10323.54 ; v2@6433.54,10396.46 cw(c6442.07,10387.93) 6442.07,10400 cw(c6442.07,10412.07) v2@6433.54,10403.54 ; v2(6435,5960) 6440,5965 6440,6010 6440,6080 6230,6290 6130,6290 6030,6290 5882.18,6290 5832.61,6240.43 5718.25,6240.43 5704.32,6226.5 ; v2@6435.75,5757.37 cw(c6421.16,5748.36) 6437.72,5743.92 ; v2@6436.46,5756.46 cw(c6427.93,5747.93) 6440,5747.93 cw(c6452.07,5747.93) v2@6443.54,5756.46 ; 6437.93,9337.07 ccw(c6455,9354.14) v2@6455,9330 ; 6442.28,5743.92 cw(c6458.84,5748.36) v2@6444.25,5757.37 ; v2@6446.46,10336.46 ccw(c6437.93,10327.93) 6437.93,10340 ccw(c6437.93,10352.07) v2@6446.46,10343.54 ; v3(6450,10245) 6550,10145 v3(6590,10145) ; v2(6450,10380) 6525,10380 6620,10475 7035,10475 ; v2@6451.46,9331.46 ccw(c6442.93,9322.93) 6442.93,9335 ccw(c6442.93,9347.07) v2@6451.46,9338.54 ; v2@6453.54,10336.46 cw(c6462.07,10327.93) 6462.07,10340 cw(c6462.07,10352.07) v2@6453.54,10343.54 ; v2@6453.54,10376.46 cw(c6462.07,10367.93) 6462.07,10380 cw(c6462.07,10392.07) v2@6453.54,10383.54 ; v2@6466.46,5823.54 ccw(c6457.93,5832.07) 6470,5832.07 ccw(c6482.07,5832.07) v2@6473.54,5823.54 ; v2(6470,5820) 6470,5985 ; 6473.27,10841.69 6473.27,10803.27 6357.13,10687.13 6312.13,10687.13 6275,10650 6055,10650 ; 6475,5030.55 6545,5030.55 6925.55,4650 ; 6488.1,5704.24 cw(c6471.43,5687.57) 6495,5687.57 cw(c6518.57,5687.57) 6501.9,5704.24 cw(c6515.82,5690.33) 6515.82,5710 ; 6491.06,10815.26 cw(c6499.7,10815.26) 6493.59,10821.37 ; 6492.85,5991.62 ccw(c6487.43,5967.57) 6470,5985 ; 6495,6010 6470,5985 ; v2@6495,9320 ccw(c6482.93,9320) 6491.46,9328.54 ccw(c6500,9337.07) v2@6500,9325 ; v2@6496.46,5791.46 ccw(c6487.93,5782.93) 6487.93,5795 ccw(c6487.93,5807.07) v2@6496.46,5798.54 ; v2(6500,5795) 6430,5795 6385,5750 ; 6501.9,5718.05 ccw(c6521.33,5737.47) 6521.33,5710 ; v2@6526.46,10773.54 ccw(c6517.93,10782.07) 6530,10782.07 ccw(c6542.07,10782.07) v2@6533.54,10773.54 ; v2(6530,10770) 6530,10839.37 6532.32,10841.69 ; 6530,10814.21 cw(c6540.12,10814.21) 6532.96,10821.37 ; v2@6531.46,5706.46 ccw(c6522.93,5697.93) 6522.93,5710 ccw(c6522.93,5722.07) v2@6531.46,5713.54 ; v2@6546.46,10753.54 ccw(c6537.93,10762.07) 6550,10762.07 ccw(c6562.07,10762.07) v2@6553.54,10753.54 ; v2@6550,9665 ccw(c6537.93,9665) 6546.46,9673.54 ccw(c6555,9682.07) v2@6555,9670 ; v2(6550,10750) 6550,10839.68 6552.01,10841.69 ; 6550,10814.97 cw(c6559.04,10814.97) 6552.65,10821.37 ; v2@6645,10415 cw(c6632.93,10415) 6641.46,10406.46 cw(c6650,10397.93) v2@6650,10410 ; v2(6650,10415) 6575,10340 v2(6450,10340) 6265,10340 6250,10355 ; v2@6765,10405 cw(c6752.93,10405) 6761.46,10396.46 cw(c6770,10387.93) v2@6770,10400 ; 6925.55,4540.43 ccw(c6925.55,4600.5) 6968.03,4558.03 ; 6925.55,4550 6960,4550 7075,4665 7075,5000.55 6925.55,5150 ; 6925.55,4550.43 ccw(c6925.55,4634.65) 6985.1,4575.1 ; 6925.55,4560.43 ccw(c6925.55,4668.79) 7002.17,4592.17 ; 6925.55,4570.43 ccw(c6925.55,4702.93) 7019.24,4609.24 ; 6925.55,4580.43 ccw(c6925.55,4737.07) 7036.31,4626.31 ; 6925.55,5119.57 cw(c6925.55,5046.1) 6977.5,5098.05 cw(c7029.46,5150) 6955.98,5150 ; 6925.55,5129.57 cw(c6925.55,5080.24) 6960.43,5115.12 cw(c6995.31,5150) 6945.98,5150 ; 6958.5,9470 ccw(c6894.54,9470) 6939.77,9515.23 ccw(c6985,9560.46) 6985,9496.5 ; 6958.5,9570 ccw(c6894.54,9570) 6939.77,9615.23 ccw(c6985,9660.46) 6985,9596.5 ; 6958.5,9670 ccw(c6894.54,9670) 6939.77,9715.23 ccw(c6985,9760.46) 6985,9696.5 ; 6968.5,9470 ccw(c6928.68,9470) 6956.84,9498.16 ccw(c6985,9526.32) 6985,9486.5 ; 6968.5,9570 ccw(c6928.68,9570) 6956.84,9598.16 ccw(c6985,9626.32) 6985,9586.5 ; 6968.5,9670 ccw(c6928.68,9670) 6956.84,9698.16 ccw(c6985,9726.32) 6985,9686.5 ; 6973.18,9393.71 ccw(c6963.65,9412.82) 6985,9412.82 ; 6985,9370 6985,9412.82 ; 6996.82,9393.71 cw(c7006.35,9412.82) 6985,9412.82 ; 7014.87,10454.87 ccw(c6966.28,10406.28) 6966.28,10475 ccw(c6966.28,10543.72) 7014.87,10495.13 ; 7014.87,10554.87 ccw(c6966.28,10506.28) 6966.28,10575 ccw(c6966.28,10643.72) 7014.87,10595.13 ; 7021.94,10461.94 ccw(c6990.42,10430.42) 6990.42,10475 ccw(c6990.42,10519.58) 7021.94,10488.06 ; 7021.94,10561.94 ccw(c6990.42,10530.42) 6990.42,10575 ccw(c6990.42,10619.58) 7021.94,10588.06 ; 7035,10246.54 cw(c7035,10177.82) 7083.59,10226.41 cw(c7132.18,10275) 7063.46,10275 ; 7035,10256.54 cw(c7035,10211.96) 7066.52,10243.48 cw(c7098.04,10275) 7053.46,10275 ; 7035,10275 7085,10225 ; 7066.26,9688.74 ccw(c7021.03,9733.97) 7085,9733.97 ccw(c7148.97,9733.97) 7103.74,9688.74